# Altium PCB PV Refridgerator v0.1.2.PCBDOC (part 2 of 2) (continued)
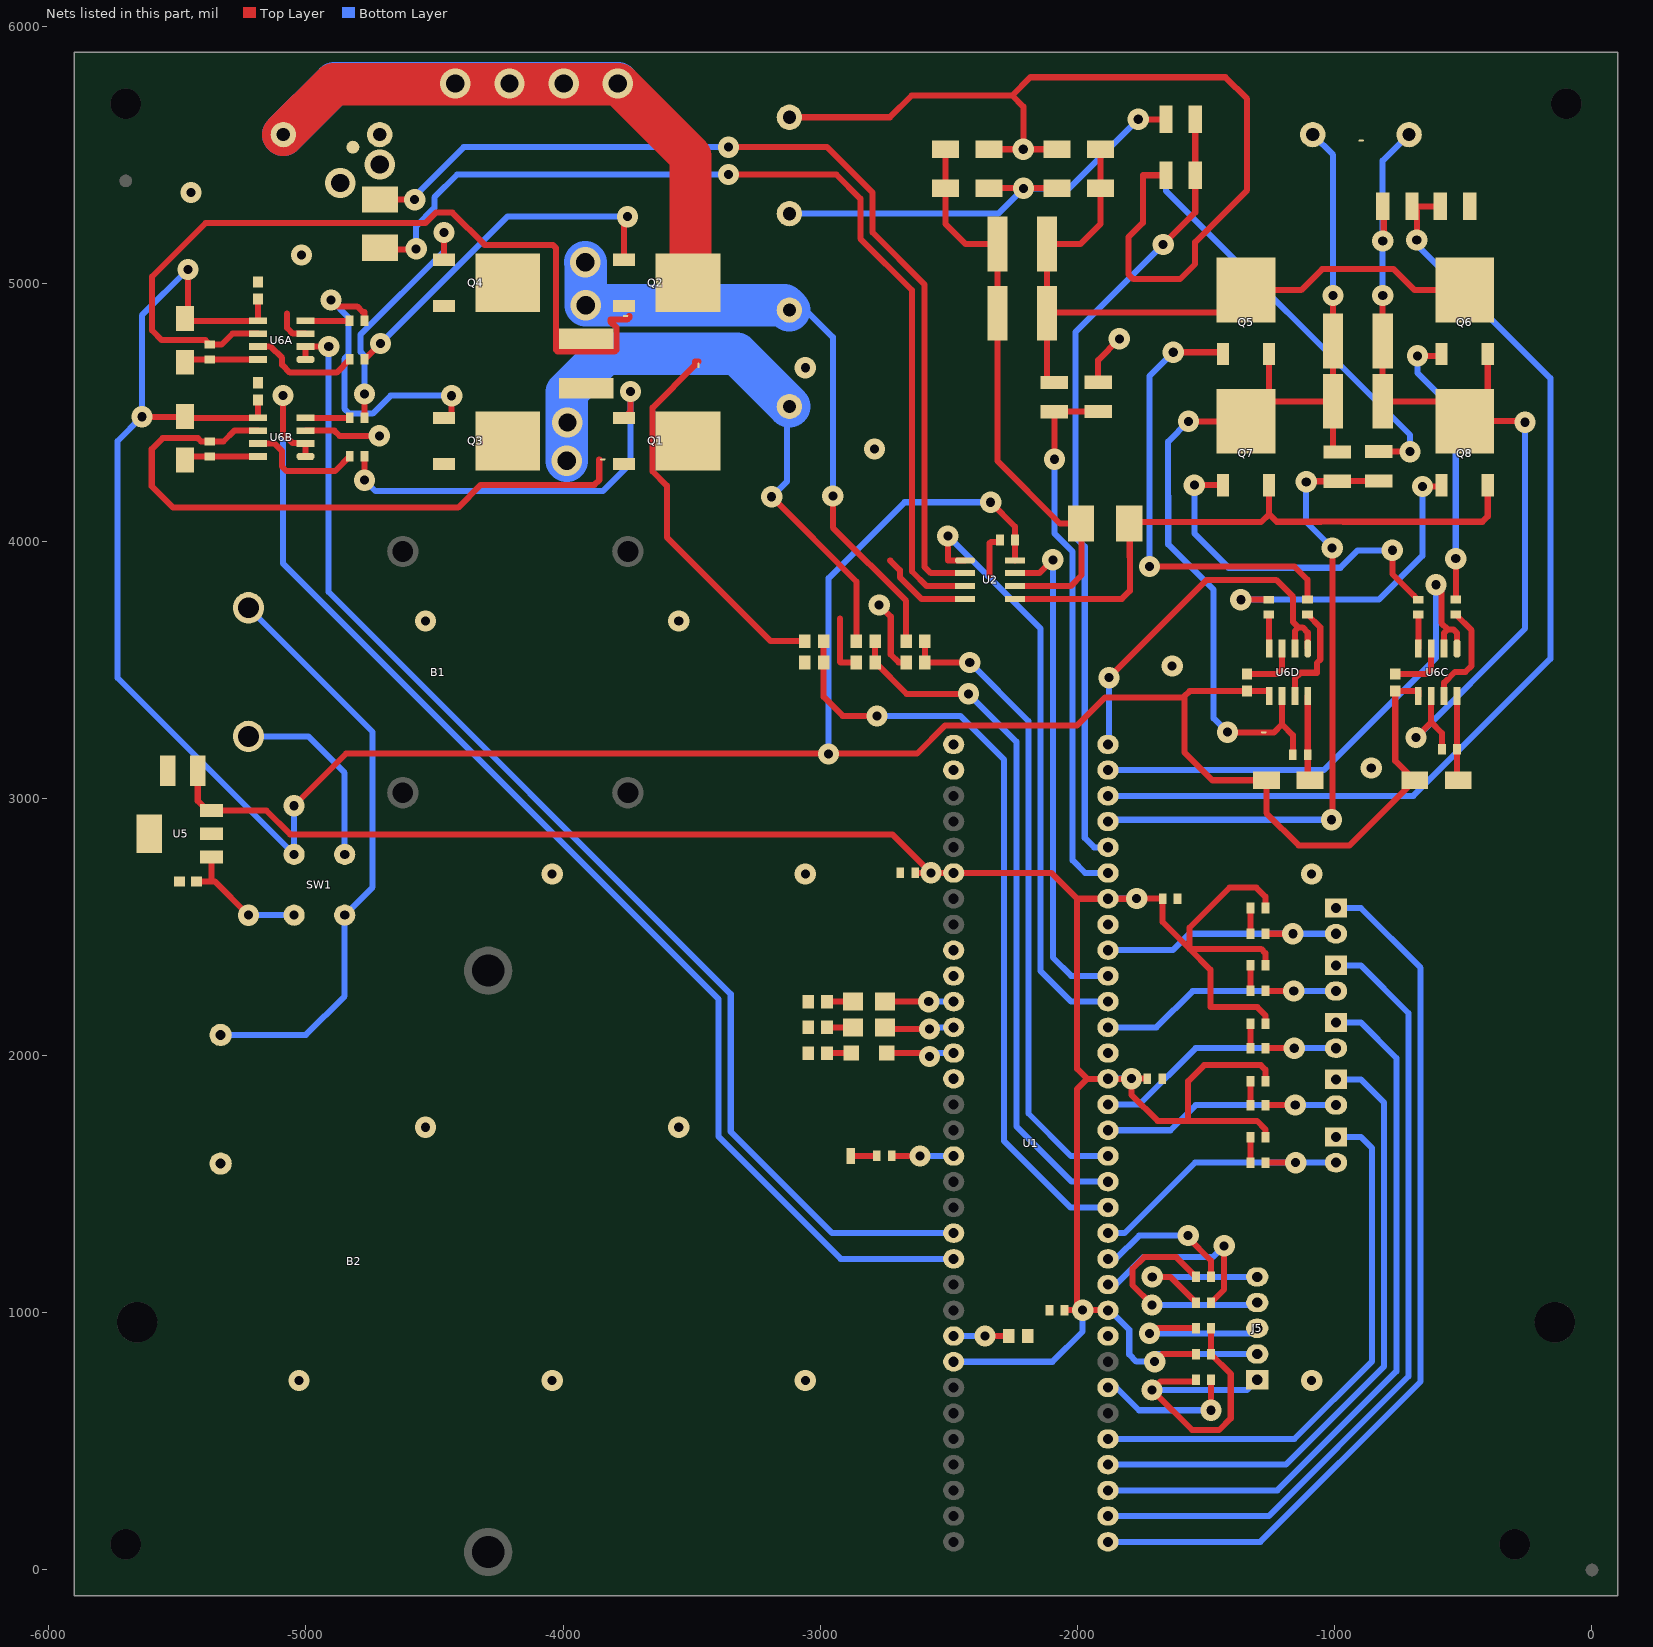
[diagram p2: the nets of this part, all layers, seen from the top]
## Nets (pads, with @x,y where several pads share a name; then routed paths per layer and width w, separated by ;. In a path a pad name is that pad's centre, name@x,y a point inside that pad or via, vN(x,y) a via of type N, cw(c..) or ccw(c..) an arc to the next point about the centre after c; other vN are vias at no path point)
0V: J3.2 NetTie2.2 NetTie4.2 R2.1
  other v2: -4866,5392 -4712.6,5463.6
3.3VDC: C5.1 C6.1 C7.1 C8.1 C12.1 J5.2 R4.1 R16A.2 R16B.2 R16C.2 R16D.2 R16E.2 U1.10 U1.19 U1.26 U1.38 U1.57 U5.3 | length 10880.2
  Top Layer w23.62: C12.1@-5420.04,3106.85 -5420.04,2990.04 -5381.85,2951.85 U5.3@-5366.11,2951.85 -5152.7,2951.85 -5060.85,2860 -2720,2860 v1(-2570,2710) ; C7.1@-2631,2710 v1(-2570,2710) ; C5.1@-2051,1010 v1(-1980,1010) ; U1.10@-1881.42,1009.45 -1881.97,1010 v1(-1980,1010) ; v1@-1770.55,2609.45 U1.26@-1881.42,2609.45 -2001.45,2609.45 ; v1(-1770,2610) C6.1@-1669,2610 -1669,2519 -1564.71,2414.71 ; C8.1@-1729,1910 v1(-1790,1910) v1@-1790.55,1909.45 ; v1(-1700,810) -1670.55,839.45 R4.1@-1538.97,839.45 ; R16D.2@-1269.45,1682.45 -1269.45,1712.83 -1302.31,1745.69 -1570,1745.69 ; R16E.2@-1269.45,1899.45 -1269.45,1945.4 -1287.05,1963 -1507.73,1963 -1570,1900.73 -1570,1745.69 ; R16C.2@-1269.45,2123.45 -1269.45,2156.14 -1301.31,2188 -1483.55,2188 -1483.55,2333.55 -1564.71,2414.71 ; R16B.2@-1269.45,2351.45 -1269.45,2397.68 -1286.48,2414.71 -1564.71,2414.71 ; R16A.2@-1269.45,2573.45 -1269.45,2617.06 -1305,2652.61 -1409.22,2652.61 -1564.71,2497.12 -1564.71,2414.71 ; v1(-2570,2710) -2102,2710 -2001.45,2609.45 ; -2001.45,2609.45 -2001.45,1948.45 -1962.45,1909.45 ; v1(-1980,1010) -2001.45,1031.45 -2001.45,1870.45 -1962.45,1909.45 ; -1962.45,1909.45 U1.19@-1881.42,1909.45 v1@-1790.55,1909.45 ; v1@-1790.55,1909.45 -1790.55,1847.55 -1688.69,1745.69 -1570,1745.69
  Bottom Layer w23.62: v1(-2570,2710) -2569.45,2709.45 U1.38@-2481.42,2709.45 ; U1.57@-2481.42,809.45 -2097.55,809.45 -1980,927 v1(-1980,1010) -1881.97,1010 U1.10@-1881.42,1009.45 -1874.48,1009.45 -1799,933.97 -1799,838 -1771,810 v1(-1700,810) -1700,828.9 -1689.45,839.45 J5.2@-1301.42,839.45 ; U1.26@-1881.42,2609.45 -1880.87,2610 v1(-1770,2610) ; U1.19@-1880.87,1910 v1(-1790,1910)
15VDC: C13A.1 C13B.1 C13C.1 C13D.1 C16.1 D8A.1 D8B.1 D8C.1 D8D.1 SW1.3 U2.8 U6A.5 U6B.5 U6C.5 U6D.5 | length 11539.8
  Top Layer w23.62: v1(-5637,4483) -5471.65,4483 D8B.1@-5470,4484.65 ; D8B.1@-5464.35,4479 U6B.5@-5186.13,4479 ; D8A.1@-5461.48,4856.13 -5186,4856.13 C13A.1@-5186,4940.54 ; D8A.1@-5458,4876.65 v1(-5458,5056) ; U6B.5@-5186,4479.13 C13B.1@-5186,4548.54 ; v1(-5046,2971) -4843,3174 v1@-2967.62,3174 ; v1(-2967.62,3172.02) v1@-2963.17,3167.56 ; v1@-2963.17,3174 -2623.81,3174 -2515.52,3282.28 -2002.72,3282.28 -1892.77,3392.23 -1588.34,3392.23 -1584.77,3395.8 ; v1(-2337.79,4150.93) -2243,4056.14 C16.1@-2243,4004 U2.8@-2243,3925.05 ; U6D.5@-1255,3397.87 -1255,3416.54 C13D.1@-1341,3416.54 -1564.04,3416.54 -1584.77,3395.8 ; U6C.5@-675,3397.87 -675,3416.54 C13C.1@-764.65,3416.54 -764.65,3145.35 D8C.1@-689.29,3070 -942.29,2817 -1140,2817 -1265.65,2942.65 D8D.1@-1265.65,3070 -1476,3070 -1584.77,3178.77 -1584.77,3395.8
  Bottom Layer w23.62: v1(-5458,5056) -5637,4877 v1(-5637,4483) -5732,4388 -5732,3468.22 SW1.3@-5046,2782.22 ; v1(-5046,2971) SW1.3@-5046,2782.22 ; SW1.3@-5045.67,2781.89 SW1.3@-5046,2782.22 ; v1(-2967.62,3172.02) -2967.62,3855.33 -2672.02,4150.93 v1(-2337.79,4150.93)
"+DC BUS": C9.2 C10.2 D1.2 D2.2 Q5.2 Q6.2 R14C.2 | length 2715.5
  Top Layer w23.62: R14C.2@-2118.54,4630 C9.2@-2118.54,4885 ; D2.2@-1910.35,5523 D1.2@-1910.35,5372 -1910.35,5232.65 -1988,5155 C10.2@-2118.54,5155 C9.2@-2118.54,4885 ; Q5.2@-1435.35,4885 -1438.72,4888.36 -2115.18,4888.36 C9.2@-2118.54,4885 ; Q5.2@-1345,4975.35 -1130.72,4975.35 -1048.86,5057.22 -771.14,5057.22 -689.28,4975.35 Q6.2@-495,4975.35 -469.78,4975.35 Q6.2@-448,4953.57
+VSOLAR: J3.1 NetTie7.2 Q1.2 Q2.2 | length 3659.8
  Top Layer w165: J3.1@-5087.4,5580 -4891,5776.4 -3784.4,5776.4 -3504.46,5496.46 -3504.46,5014.19 Q2.2@-3514.65,5004
  Bottom Layer w165: J3.1@-5087.4,5580 -4888.52,5778.88 v2(-3786.88,5778.88)
  other v2: -4419,5778.88 -4208.29,5778.88 -3997.59,5778.88
+VT1.P: C1.1 J7.2 NetTie1B.2 NetTie8.2 Q1.3 Q3.2 | length 1279.4
  Bottom Layer w165: v2(-3986,4312) -3986,4512 -3985,4513 -3985,4579 -3835.54,4728.46 -3325.47,4728.46 J7.2@-3120,4522.99
  other v2: -3983,4461
+VT1.S: D1.1 D3.2 J8.2 R14D.2 | length 1883.1
  Top Layer w23.62: D3.2@-2344.35,5372 D1.1@-2079.65,5372 ; v1(-1763.85,5639.53) -1657.6,5639.53 R14D.2@-1654.8,5636.74
  Bottom Layer w23.62: J8.2@-3120,5272.6 -2308.34,5272.6 v1(-2209.84,5371.1) -2032.28,5371.1 v1(-1763.85,5639.53)
"-DC BUS": C9.1 C10.1 D3.1 D4.1 NetTie6.2 R3.1 | length 1797.5
  Top Layer w23.62: D4.1@-2513.65,5523 D3.1@-2513.65,5372 -2513.65,5232.65 -2436,5155 C10.1@-2311.46,5155 C9.1@-2311.46,4885 -2311.46,4311.46 -2068,4068 R3.1@-1983,4068
-VT1.P: C1.2 J7.1 NetTie1A.2 NetTie9.2 Q2.3 Q4.2 | length 967.6
  Bottom Layer w165: v2(-3914,5083.83) -3912.08,5081.92 v2(-3912.08,4917.08) -3139.29,4917.08 J7.1@-3120,4897.8
A_HO: Q1.1 R12B.2 | length 1580.4
  Top Layer w23.62: v1(-4771.57,4236.57) R12B.2@-4771.57,4329 ; Q1.1@-3762.68,4478.76 -3738,4503.44 v1(-3738,4581)
  Bottom Layer w23.62: v1(-4771.57,4236.57) -4729.07,4194.07 -3844.93,4194.07 -3738,4301 v1(-3738,4581)
A_LO: Q4.1 R13B.2 | length 967.1
  Top Layer w23.62: v1(-4772,4572) -4771.57,4571.57 R13B.2@-4771.57,4479 ; Q4.1@-4462.68,5093.76 v1(-4462.68,5199.68)
  Bottom Layer w23.62: v1(-4772,4572) -4772,4721 -4786.77,4735.77 -4786.77,4803.23 -4462.68,5127.32 v1(-4462.68,5199.68)
B_HO: Q2.1 R12A.2 | length 1425.4
  Top Layer w23.62: R12A.2@-4771.57,4706 v1(-4710,4767.57) ; Q2.1@-3762.68,5093.76 -3762.68,5247.32 v1(-3749,5261)
  Bottom Layer w23.62: v1(-4710,4767.57) -4216.57,5261 v1(-3749,5261)
B_LO: Q3.1 R13A.2 | length 1214.8
  Top Layer w23.62: v1(-4902,4937) -4876.93,4911.93 -4800.29,4911.93 -4778.68,4890.32 -4772.03,4890.32 R13A.2@-4772.03,4856 ; Q3.1@-4462.68,4478.76 -4436.24,4478.76 -4433,4475.53 v1(-4433,4565)
  Bottom Layer w23.62: v1(-4902,4937) -4834.23,4869.23 -4834.23,4724.2 -4850,4708.43 -4850,4515 -4830.23,4495.23 -4740.2,4495.23 -4670.43,4565 v1(-4433,4565)
C_HO: Q5.1 R12D.2 | length 1780.5
  Top Layer w23.62: v1(-1720,3901) -1157,3901 -1106,3850 R12D.2@-1106,3772.43 ; v1(-1628,4734) -1441.44,4734 Q5.1@-1434.76,4727.32
  Bottom Layer w23.62: v1(-1720,3901) -1720.87,3901.87 -1720.87,4641.13 v1(-1628,4734)
C_LO: Q8.1 R13D.2 | length 1231.9
  Top Layer w23.62: v1(-1365.03,3771.97) R13D.2@-1256,3771.97 ; v1(-659,4212) -590.09,4212 Q8.1@-584.76,4217.32
  Bottom Layer w23.62: v1(-1365.03,3771.97) -829.03,3771.97 -659,3942 v1(-659,4212)
C_VS: C2.1 C3.1 J6.1 NetTie1D.2 Q5.3 Q7.2 R14B.2 | length 3374.7
  Top Layer w23.62: v1(-1568.65,4465.35) Q7.2@-1345,4465.35 ; v1@-1399.65,3256 -1269.21,3256 ; Q7.2@-1267.35,4543 C2.1@-1006.46,4543 ; Q7.2@-1255.24,4555.12 Q5.3@-1255.24,4727.32 ; R14B.2@-1006.46,4362.24 C2.1@-1006.46,4543 ; v1(-1006.46,4954.86) C3.1@-1006.46,4778 C2.1@-1006.46,4543
  Bottom Layer w23.62: v1(-1568.65,4465.35) -1648.04,4385.96 -1648.04,4174.92 -1647.17,4174.05 -1647.17,3987.17 -1471,3811 -1471,3311 v1(-1417,3257) ; J6.1@-1085.58,5580 -1006.46,5500.88 v1(-1006.46,4954.86)
D_HO: Q6.1 R12C.2 | length 1095.3
  Top Layer w23.62: v1(-678,4720) Q6.1@-592.09,4720 ; R12C.2@-529.65,3772.43 -529.23,3772.85 -529.23,3931.23 v1(-529.65,3931.65)
  Bottom Layer w23.62: v1(-678,4720) -678,4653 -529.65,4504.65 v1(-529.65,3931.65)
D_LO: Q7.1 R13C.2 | length 1385
  Top Layer w23.62: v1(-1545.68,4217.32) Q7.1@-1434.76,4217.32 ; v1(-776,3964) -776,3871.97 -692.23,3788.2 R13C.2@-676,3771.97
  Bottom Layer w23.62: v1(-1545.68,4217.32) -1545.68,4029.68 -1412.23,3896.23 -978.2,3896.23 -910.43,3964 v1(-776,3964)
D_VS: C2.2 C3.2 J6.2 NetTie1C.2 Q6.3 Q8.2 R14A.2 | length 1640.9
  Top Layer w23.62: v1(-813.54,4954.86) C3.2@-813.54,4778 C2.2@-813.54,4543 Q8.2@-572.65,4543 ; v1(-813.54,5166.35) -809.45,5170.44 R14A.2@-809.45,5308.57 ; Q8.2@-405.24,4555.12 Q6.3@-405.24,4727.32
  Bottom Layer w23.62: v1(-813.54,4954.86) v1(-813.54,5166.35) -813.54,5478.74 J6.2@-708.76,5583.53
"DEBUG TX": R19.2 TP3.1 | length 101
  Top Layer w23.62: TP3.1@-2881.42,1609.45 R19.2@-2780.39,1609.45
GND: B2.2 C4.2 C5.2 C6.2 C7.2 C8.2 C11.2 C12.2 C13A.2 C13B.2 C13C.2 C13D.2 C14.2 C16.2 J5.3 NetTie2.1 NetTie?.2 R8.1 R9.1 R10.1 R20A.1 R20B.1 R20C.1 U1.9 U1.20 U1.25 U1.41 U2.4 U5.2 U6A.3 U6B.3 U6C.3 U6D.3 | length 2553.7
  Top Layer w23.62: -5072.35,4883.87 -5072.35,4828.13 -5050.21,4806 U6A.3@-5001.87,4806 ; U6B.3@-5001.87,4429 -4889,4429 -4869,4409 v1(-4714,4409) ; -2922.76,3698.35 -2922.76,3529.07 -2921.69,3528 R20B.1@-2859.73,3528 ; v1(-2771,3751) -2726,3706 -2726,3559 -2695,3528 R20A.1@-2666.2,3528 ; -2728,3924 -2690.73,3886.73 -2690.73,3858.46 -2607.27,3775 U2.4@-2437.05,3775 ; -2341.44,3867 -2341.44,3991.56 -2336,3997 -2308,3997 C16.2@-2301,4004 ; v1(-1720,920) -1700,940 C14.2@-1540,940 ; C13D.2@-1341,3483.46 -1223.54,3483.46 -1205,3502 U6D.3@-1205,3582.13 ; C13C.2@-764.65,3483.47 -642.53,3483.47 -625,3501 U6C.3@-625,3582.13
  Bottom Layer w23.62: v1(-1720,920) -1320.87,920 J5.3@-1301.42,939.45
  other v1: -5026.69,736.8 -4042.44,736.8 -3058.19,736.8 -1089.69,736.8 -4534.57,1721.05 -3550.32,1721.05 -4042.44,2705.3 -3058.19,2705.3 -1089.69,2705.3 -858,3118 -1632,3514 -4534.57,3689.55 -3550.32,3689.55 -2789,4358 -3058.19,4673.8 -5017,5112 -5446,5355
"HOA HiA": U1.42
"HOA HiV": U1.33
"HOB HiA": U1.46
"HOB HiV": U1.34
HVGND: D2.1 D4.2 J8.1 NetTie?.1 R15A.1 R15B.1 R15C.1 R15D.1 | length 5661.9
  Top Layer w23.62: J8.1@-3120,5647.4 -2729.6,5647.4 -2645,5732 -2254,5732 ; D4.2@-2344.35,5523 v1(-2210.74,5523) ; D2.1@-2097.99,5523.49 -2098.48,5523 v1(-2210.74,5523) ; R15C.1@-1920,4617.57 -1920,4703.27 v1(-1837.27,4786) ; R15D.1@-1656.61,5422 -1746,5422 -1746,5237.29 -1802,5181.29 -1802,5037.2 -1783.12,5018.32 -1601.68,5018.32 -1543,5077 -1543,5162 -1341,5364 -1341,5719 -1425,5803 -2183,5803 -2254,5732 ; R15B.1@-829.17,4347.57 v1(-707.43,4347.57) ; -2254,5732 -2210.74,5688.74 v1(-2210.74,5523)
  Bottom Layer w23.62: -1656.64,5425.91 -1656.64,5361.8 -707.43,4412.6 v1(-707.43,4347.57)
"LOA HiA": U1.53 U6B.1 U6B.2 | length 4995.1
  Top Layer w23.62: v1(-5089,4566) -5089,4417.79 -5051.59,4380.38 -5003.25,4380.38 U6B.2@-5001.87,4379 U6B.1@-5001.87,4329
  Bottom Layer w23.62: v1(-5089,4566) -5089,3913 -3395.24,2219.24 -3395.24,1684.43 -2920.26,1209.45 U1.53@-2481.42,1209.45
"LOA HiV": U1.31 U6C.1 U6C.2 | length 2114.7
  Top Layer w23.62: v1(-606,3830) -585.58,3809.58 -585.58,3680.58 -561.5,3656.5 ; U6C.2@-575,3582.13 -575,3643 -562,3656 -537.96,3656 -525,3643.04 U6C.1@-525,3582.13
  Bottom Layer w23.62: U1.31@-1881.42,3109.45 -1042.55,3109.45 -606,3546 v1(-606,3830)
"LOB HiA": U1.52 U6A.1 U6A.2 | length 4870.3
  Top Layer w23.62: U6A.1@-5001.87,4706 U6A.2@-5001.87,4756 v1(-4911,4756)
  Bottom Layer w23.62: v1(-4911,4756) -4911,3801.81 -3348,2238.81 -3348,1704 -2953.45,1309.45 U1.52@-2481.42,1309.45
"LOB HiV": U1.32 U6D.1 U6D.2 | length 1483.3
  Top Layer w23.62: v1(-1878,3469) -1498,3849 -1228,3849 -1161.93,3782.93 -1161.93,3684.82 -1141.18,3664.06 ; U6D.2@-1155,3582.13 -1155,3650.24 -1141.18,3664.06 ; U6D.1@-1105,3582.13 -1105,3644 -1125.06,3664.06 -1141.18,3664.06
  Bottom Layer w23.62: U1.32@-1881.42,3209.45 -1878,3212.87 v1(-1878,3469)
MCLR: R5.2 U1.7 | length 555.4
  Top Layer w23.62: v1(-1481.03,621.03) R5.2@-1481.03,739.45
  Bottom Layer w23.62: U1.7@-1881.42,709.45 -1849.45,709.45 -1761.03,621.03 v1(-1481.03,621.03)
"MCLR PIN": C14.1 J5.1 R4.2 R5.1 | length 1384.6
  Top Layer w23.62: v1(-1710,700) v1@-1701.43,700 ; R5.1@-1538.97,739.45 -1545.19,733.23 -1676.77,733.23 -1701.43,708.57 -1701.43,691.43 -1554.26,544.26 -1449.23,544.26 -1404.26,589.23 -1404.26,762.68 R4.2@-1481.03,839.45 ; R4.2@-1480.97,839.51 C14.1@-1480.97,939.45
  Bottom Layer w23.62: v1(-1710,700) -1340.87,700 J5.1@-1301.42,739.45
NetB1_1: B1.1 SW1.4 | length 749.7
  Bottom Layer w23.62: B1.1@-5222.83,3240.55 -4990.55,3240.55 -4848.82,3098.82 SW1.4@-4848.82,2781.89
NetB1_2: B1.2 B2.1 SW1.2 | length 2299.4
  Bottom Layer w23.62: B2.1@-5331.13,2079.92 -5000.08,2079.92 -4848.82,2231.18 SW1.2@-4848.82,2545.67 -4740,2654.49 -4740,3257.72 B1.2@-5222.83,3740.55
NetC4_1: C4.1 U1.56 | length 215.1
  Top Layer w23.62: v1(-2360,910) C4.1@-2266.5,910
  Bottom Layer w23.62: U1.56@-2481.42,909.45 -2360.55,909.45 v1(-2360,910)
NetC11_1: C11.1 SW1.1 U5.1 | length 527.2
  Top Layer w23.62: C11.1@-5424.65,2676.85 -5354.02,2676.85 v1(-5222.83,2545.67) ; -5366.11,2677.98 U5.1@-5366.11,2771.85
  Bottom Layer w23.62: v1(-5222.83,2545.67) SW1.1@-5045.67,2545.67
NetC15A_1: C15A.1 D8A.2 U6A.8 | length 273.2
  Top Layer w23.62: D8A.2@-5459.35,4706 C15A.1@-5374,4706 U6A.8@-5186.13,4706
NetC15A_2: C15A.2 NetTie1A.1 U6A.6 | length 3237.3
  Top Layer w23.62: U6A.6@-5186.13,4806 -5285,4806 -5327,4764 C15A.2@-5374,4764 -5390.98,4780.98 -5559.98,4780.98 -5598,4819 -5598,5028 -5390,5236 -4534.93,5236 -4494.48,5276.45 -4430.45,5276.45 -4305,5151 -4040,5151 -4027.11,5138.11 -4027.11,4742.61 -4020.78,4736.28 -3799.22,4736.28 -3792.89,4742.61 -3792.89,4830.3 -3815.89,4853.3 -3815.89,4860.69 -3751.07,4860.69 -3742.69,4869.07 -3742.69,4875
NetC15B_1: C15B.1 D8B.2 U6B.8 | length 270.2
  Top Layer w23.62: D8B.2@-5456.35,4329 C15B.1@-5374,4329 U6B.8@-5186.13,4329
NetC15B_2: C15B.2 NetTie1B.1 U6B.6 | length 2496.4
  Top Layer w23.62: U6B.6@-5186.13,4429 -5278,4429 -5320,4387 C15B.2@-5374,4387 -5406.89,4387 -5419.89,4400 -5556,4400 -5599,4357 -5599,4213 -5516,4130 -4408,4130 -4320,4218 -3878,4218 -3859.19,4236.81 -3859.19,4317.32
NetC15C_1: C15C.1 D8C.2 U6C.8 | length 322.9
  Top Layer w23.62: D8C.2@-525,3075 C15C.1@-525,3190 U6C.8@-525,3397.87
NetC15C_2: C15C.2 NetTie1C.1 U6C.6 | length 1927.8
  Top Layer w23.62: v1(-684,3236) -625,3295 ; U6C.6@-625,3397.87 -625,3295 ; C15C.2@-583,3190 -583,3253 -625,3295 ; NetTie1C.1@-482.5,4467 v1@-265,4467
  Bottom Layer w23.62: v1(-684,3236) -260,3660 v1(-260,4462)
NetC15D_1: C15D.1 D8D.2 U6D.8 | length 319.2
  Top Layer w23.62: D8D.2@-1105,3078.65 C15D.1@-1105,3170 U6D.8@-1105,3397.87
NetC15D_2: C15D.2 NetTie1D.1 U6D.6 | length 334.1
  Top Layer w23.62: -1280.99,3256 -1236,3256 -1205,3287 ; U6D.6@-1205,3397.87 -1205,3287 ; C15D.2@-1163,3170 -1163,3245 -1205,3287
NetD5_1: D5.1 U1.43 | length 266.5
  Top Layer w23.62: D5.1@-2747.92,2209.45 v1(-2578.45,2209.45)
  Bottom Layer w23.62: v1(-2578.45,2209.45) U1.43@-2481.42,2209.45
NetD5_2: D5.2 R8.2 | length 101
  Top Layer w23.62: R8.2@-2973.95,2209.45 D5.2@-2872.92,2209.45
NetD6_1: D6.1 U1.44 | length 271.8
  Top Layer w23.62: D6.1@-2747.92,2109.45 -2741.47,2103 v1(-2575,2103)
  Bottom Layer w23.62: v1(-2575,2103) -2568.55,2109.45 U1.44@-2481.42,2109.45
NetD6_2: D6.2 R9.2 | length 101
  Top Layer w23.62: R9.2@-2973.95,2109.45 D6.2@-2872.92,2109.45
NetD7_1: D7.1 U1.45 | length 281.3
  Top Layer w23.62: D7.1@-2741.52,2009.45 -2573.45,2009.45 -2575,2007.9 v1(-2575,1996)
  Bottom Layer w23.62: v1(-2575,1996) -2561.55,2009.45 U1.45@-2481.42,2009.45
NetD7_2: D7.2 R10.2 | length 94.6
  Top Layer w23.62: R10.2@-2973.95,2009.45 D7.2@-2879.31,2009.45
NetNetTie3_1: NetTie3.1 U2.3 | length 3882.9
  Top Layer w23.62: NetTie3.1@-4701,5133 -4572.53,5133 v1@-4570.85,5134.67 ; v1(-3357,5424.85) -3357,5445 -3336.85,5424.85 -2937.56,5424.85 -2843.89,5331.18 -2843.89,5175.89 -2643.49,4975.49 -2643.49,3881.68 -2586.81,3825 U2.3@-2437.05,3825
  Bottom Layer w23.62: v1(-4571,5136) -4571,5224.43 -4500.23,5295.2 -4500.23,5335.77 -4411.15,5424.85 v1(-3357,5424.85)
NetNetTie3_2: NetTie3.2 Q3.3 Q4.3 R2.2
NetNetTie4_1: NetTie4.1 U2.2 | length 3808.3
  Top Layer w23.62: NetTie4.1@-4708.5,5327.5 -4581.6,5327.5 v1@-4581.43,5327.67 ; v1(-3357,5531.15) -3357,5511 -3336.85,5531.15 -2973.15,5531.15 -2796.64,5354.64 -2796.64,5199.36 -2595,4997.71 -2595,3900 -2570,3875 U2.2@-2437.05,3875
  Bottom Layer w23.62: v1(-4577,5327) -4577,5341 -4386.85,5531.15 v1(-3357,5531.15)
NetNetTie5_1: NetTie5.1 U2.5 | length 742.5
  Top Layer w23.62: U2.5@-2242.95,3775 -1828,3775 -1796.77,3806.23 -1797,4062 -1785,4074 NetTie5.1@-1774.31,4074
NetNetTie5_2: NetTie5.2 Q7.3 Q8.3 R3.2 | length 1658
  Top Layer w23.62: R3.2@-1794.31,4073.18 NetTie5.2@-1794.31,4074 -1286,4074 -1255.24,4104.76 ; Q7.3@-1255.24,4217.32 -1255.24,4104.76 ; Q8.3@-405.24,4217.32 -405.24,4095.76 -426,4075 -967.24,4075 -967.6,4075.36 -1052.4,4075.36 -1052.76,4075 -1225.47,4075 -1255.24,4104.76
NetNetTie6_1: NetTie6.1 U2.6 | length 476.8
  Top Layer w23.62: U2.6@-2242.95,3825 -2027,3825 -1984,3868 NetTie6.1@-1984,4068
NetNetTie7_1: NetTie7.1 R11C.2 | length 1491.3
  Top Layer w23.62: -3473,4697.31 -3487.31,4697.31 -3487.31,4683 -3651.44,4518.87 -3651.44,4270.35 -3596.47,4215.38 -3596.47,4014.47 -3193,3611 R11C.2@-3060.2,3611
NetNetTie8_1: NetTie8.1 R11B.2 | length 1007.7
  Top Layer w23.62: v1(-3189,4172) -2859.73,3842.73 R11B.2@-2859.73,3611
  Bottom Layer w23.62: v1(-3189,4172) -3129,4232 NetTie8.1@-3129,4457.5
NetNetTie9_1: NetTie9.1 R11A.2 | length 1443.1
  Top Layer w23.62: v1@-2951,4174.94 v1(-2951,4175) -2951,4051.91 -2666.2,3767.11 R11A.2@-2666.2,3611
  Bottom Layer w23.62: NetTie9.1@-3052.5,4894 -2951,4792.5 v1(-2951,4175)
NetR11A_1: R11A.1 R20A.2 U1.16 | length 2489.9
  Top Layer w23.62: R11A.1@-2593.26,3618 R11A.1@-2593.26,3611 R20A.2@-2593.26,3528 v1(-2419,3528)
  Bottom Layer w23.62: v1(-2419,3528) -2190.49,3299.49 -2190.49,1774.49 -2025.45,1609.45 U1.16@-1881.42,1609.45
NetR11B_1: R11B.1 R20B.2 U1.15 | length 2707.2
  Top Layer w23.62: R11B.1@-2786.8,3618 R11B.1@-2786.8,3611 R20B.2@-2786.8,3528 -2664.8,3406 v1(-2424,3406)
  Bottom Layer w23.62: v1(-2424,3406) -2237.73,3219.73 -2237.73,1724.73 -2022.45,1509.45 U1.15@-1881.42,1509.45
NetR11C_1: R11C.1 R20C.2 U1.14 | length 3010.4
  Top Layer w23.62: R11C.1@-2987.26,3608 R20C.2@-2987.26,3528 -2987.26,3394.26 -2913,3320 v1(-2779.26,3320)
  Bottom Layer w23.62: v1(-2779.26,3320) -2455,3320 -2284.98,3149.98 -2284.98,1666.98 -2027.45,1409.45 U1.14@-1881.42,1409.45
NetR12A_1: R12A.1 U6A.7 | length 435.4
  Top Layer w23.62: U6A.7@-5186.13,4756 -5136,4756 -5092,4712 -5092,4685 -5062,4655 -4880.5,4655 R12A.1@-4829.5,4706
NetR12B_1: R12B.1 U6B.7 | length 460.2
  Top Layer w23.62: U6B.7@-5186.13,4379 -5121.19,4379 -5093,4350.81 -5093,4290 -5075,4272 -4886.5,4272 R12B.1@-4829.5,4329
NetR12C_1: R12C.1 U6C.7 | length 410.5
  Top Layer w23.62: U6C.7@-575,3397.87 -575,3449 -533,3491 -492,3491 -468,3515 -468,3652.85 R12C.1@-529.65,3714.5
NetR12D_1: R12D.1 U6D.7 | length 415.5
  Top Layer w23.62: U6D.7@-1155,3397.87 -1155,3466 -1133,3488 -1069,3488 -1069,3526.38 -1056.38,3539 -1056.38,3664.87 R12D.1@-1106,3714.5
NetR13A_1: R13A.1 U6A.4 | length 167.4
  Top Layer w23.62: U6A.4@-5001.87,4856 R13A.1@-4834.5,4856
NetR13B_1: R13B.1 U6B.4 | length 172.4
  Top Layer w23.62: U6B.4@-5001.87,4479 R13B.1@-4829.5,4479
NetR13C_1: R13C.1 U6C.4 | length 122.7
  Top Layer w23.62: U6C.4@-675,3582.13 R13C.1@-675,3704.85
NetR13D_1: R13D.1 U6D.4 | length 126.4
  Top Layer w23.62: U6D.4@-1255,3582.13 R13D.1@-1255,3708.5
NetR14A_1: R14A.1 R15A.2 U1.30 | length 4031.4
  Top Layer w23.62: v1(-681,5170) -681,5282.63 R14A.1@-699.37,5301 R15A.2@-589.61,5301
  Bottom Layer w23.62: U1.30@-1881.42,3009.45 -694.55,3009.45 -162,3542 -162,4633 -681,5152 v1(-681,5170)
NetR14B_1: R14B.1 R15B.2 U1.29 | length 2510.8
  Top Layer w23.62: v1(-1111,4230) -1108.57,4232.43 R14B.1@-990.83,4232.43 ; v1(-1013,2916.51) -1008.76,2920.76 -1008.76,3971.76 v1(-1010,3973) ; R14B.1@-989.87,4233.39 R15B.2@-829.17,4233.39
  Bottom Layer w23.62: U1.29@-1881.42,2909.45 -1874.35,2916.51 v1(-1013,2916.51) ; v1(-1111,4230) -1111,4074 v1(-1010,3973)
NetR14C_1: R14C.1 R15C.2 U1.27 | length 2101.1
  Top Layer w23.62: v1(-2089.04,4317.96) -2089.04,4503.39 R15C.2@-1920,4503.39
  Bottom Layer w23.62: v1(-2089.04,4317.96) -2089.04,4028.61 -2019.23,3958.8 -2019.23,2758.23 -1970.45,2709.45 U1.27@-1881.42,2709.45
NetR14D_1: R14D.1 R15D.2 U1.28 | length 3089.9
  Top Layer w23.62: v1(-1667,5153) -1542.43,5277.57 R15D.2@-1542.43,5422 ; R15D.2@-1542.43,5438.74 R14D.1@-1542.43,5640
  Bottom Layer w23.62: U1.28@-1881.42,2809.45 -1935.45,2809.45 -1971.98,2845.98 -1971.98,3978.37 -2007,4013.38 -2007,4813 v1(-1667,5153)
NetR16A_1: R16A.1 R17A.2 | length 100
  Top Layer w23.62: R17A.2@-1327.39,2473.45 R16A.1@-1327.39,2573.45
NetR16B_1: R16B.1 R17B.2 | length 100
  Top Layer w23.62: R17B.2@-1327.39,2251.45 R16B.1@-1327.39,2351.45
NetR16C_1: R16C.1 R17C.2 | length 95
  Top Layer w23.62: R17C.2@-1327.39,2028.45 R16C.1@-1327.39,2123.45
NetR16D_1: R16D.1 R17D.2 | length 99
  Top Layer w23.62: R17D.2@-1327.39,1583.45 R16D.1@-1327.39,1682.45
NetR16E_1: R16E.1 R17E.2 | length 92
  Top Layer w23.62: R17E.2@-1327.39,1807.45 R16E.1@-1327.39,1899.45
NetR19_1: R19.1 U1.49 | length 241
  Top Layer w23.62: R19.1@-2722.45,1609.45 v1(-2612.45,1609.45)
  Bottom Layer w23.62: v1(-2612.45,1609.45) U1.49@-2481.42,1609.45
NetU1_22: U1.22 U2.1 | length 2314.2
  Top Layer w23.62: v1(-2504,4020) -2504,3925 U2.1@-2437.05,3925
  Bottom Layer w23.62: v1(-2504,4020) -2143.24,3659.24 -2143.24,2328.24 -2024.45,2209.45 U1.22@-1881.42,2209.45
NetU1_23: U1.23 U2.7 | length 1958.7
  Top Layer w23.62: U2.7@-2242.95,3875 -2148,3875 v1(-2096,3927)
  Bottom Layer w23.62: v1(-2096,3927) -2096,2381 -2024.45,2309.45 U1.23@-1881.42,2309.45
PGC: R7.2 U1.11 | length 755.5
  Top Layer w23.62: R7.2@-1481.03,1039.45 -1430.6,1089.88 -1430.6,1259.4 v1(-1430,1260)
  Bottom Layer w23.62: U1.11@-1881.42,1109.45 -1850.55,1109.45 -1743.78,1216.22 -1473.78,1216.22 v1(-1430,1260)
"PGC PIN": J5.5 R7.1 | length 618.7
  Top Layer w23.62: v1(-1709.45,1139.45) -1639.45,1139.45 R7.1@-1540,1040
  Bottom Layer w23.62: v1(-1709.45,1139.45) J5.5@-1301.42,1139.45
PGD: R6.2 U1.12 | length 546.3
  Top Layer w23.62: v1(-1570,1300) -1570,1291.43 -1481.03,1202.46 R6.2@-1481.03,1139.45
  Bottom Layer w23.62: U1.12@-1881.42,1209.45 -1850.55,1209.45 -1760,1300 v1(-1570,1300)
"PGD PIN": J5.4 R6.1 | length 881.7
  Top Layer w23.62: v1(-1710,1030) -1710,1031.43 -1786.22,1107.65 -1786.22,1171.25 -1741.25,1216.22 -1616.22,1216.22 R6.1@-1540,1140
  Bottom Layer w23.62: v1(-1710,1030) -1310.87,1030 J5.4@-1301.42,1039.45
"SWITCHED GROUND 1": RT1E.1 U1.4 | length 2481.8
  Bottom Layer w23.62: U1.4@-1881.42,409.45 -1189.74,409.45 -807.76,791.43 -807.76,1816.53 -898.68,1907.45 RT1E.1@-994.92,1907.45
"SWITCHED GROUND 2": RT1D.1 U1.5 | length 2138.1
  Bottom Layer w23.62: U1.5@-1881.42,509.45 -1156.55,509.45 -855,811 -855,1639.77 -898.68,1683.45 RT1D.1@-994.92,1683.45
"SWITCHED GROUND 3": RT1C.1 U1.3 | length 2822.5
  Bottom Layer w23.62: U1.3@-1881.42,309.45 -1222.92,309.45 -760.51,771.86 -760.51,1990.28 -898.68,2128.45 RT1C.1@-994.92,2128.45
"SWITCHED GROUND 4": RT1B.1 U1.2 | length 3168.6
  Bottom Layer w23.62: U1.2@-1881.42,205 U1.2@-1881.42,209.45 -1256.11,209.45 -713.27,752.29 -713.27,2165.04 -898.68,2350.45 RT1B.1@-994.92,2350.45
"SWITCHED GROUND 5": RT1A.1 U1.1 | length 3506.9
  Bottom Layer w23.62: U1.1@-1881.42,109.45 -1289.3,109.45 -666.02,732.72 -666.02,2340.79 -898.68,2573.45 RT1A.1@-994.92,2573.45
"VTEMP 1": R17E.1 RT1E.2 U1.17 | length 1043
  Top Layer w23.62: R17E.1@-1269.45,1807.45 v1(-1153.55,1807.45)
  Bottom Layer w23.62: U1.17@-1881.42,1709.45 -1638.55,1709.45 -1540.55,1807.45 v1(-1153.55,1807.45) RT1E.2@-994.92,1807.45
"VTEMP 2": R17D.1 RT1D.2 U1.13 | length 1117.3
  Top Layer w23.62: R17D.1@-1269.45,1583.45 v1(-1152.1,1583.45)
  Bottom Layer w23.62: U1.13@-1881.42,1309.45 -1817.36,1309.45 -1543.36,1583.45 v1(-1152.1,1583.45) RT1D.2@-994.92,1583.45
"VTEMP 3": R17C.1 RT1C.2 U1.18 | length 1089.1
  Top Layer w23.62: R17C.1@-1269.45,2028.45 v1(-1157.55,2028.45)
  Bottom Layer w23.62: U1.18@-1881.42,1809.45 -1759.55,1809.45 -1540.55,2028.45 v1(-1157.55,2028.45) RT1C.2@-994.92,2028.45
"VTEMP 4": R17B.1 RT1B.2 U1.21 | length 1055.3
  Top Layer w23.62: R17B.1@-1269.45,2251.45 -1160.45,2251.45 v1(-1159.45,2250.45)
  Bottom Layer w23.62: U1.21@-1881.42,2109.45 -1693.55,2109.45 -1552.55,2250.45 v1(-1159.45,2250.45) RT1B.2@-994.92,2250.45
"VTEMP 5": R17A.1 RT1A.2 U1.24 | length 1019.5
  Top Layer w23.62: R17A.1@-1269.45,2473.45 v1(-1163,2473.45)
  Bottom Layer w23.62: U1.24@-1881.42,2409.45 -1629.55,2409.45 -1565.55,2473.45 v1(-1163,2473.45) RT1A.2@-994.92,2473.45
pads on no net: B1.0 B2.0 FID1.0 FID3.0 MountingHole1. MountingHole2. MountingHole3. MountingHole4. MountingHole5. MountingHole6. U1.6 U1.8 U1.35 U1.36 U1.37 U1.39 U1.40 U1.47 U1.48 U1.50 U1.51 U1.54 U1.55 U1.58 U1.59 U1.60 U1.61 U1.62 U1.63 U1.64
copper on no net: | length 424.3
  Top Layer w23.62: -5737.5,5162.5 -5662.5,5237.5 ; -5737.5,5237.5 -5662.5,5162.5 ; -720.79,84.5 -645.79,159.5 ; -720.79,159.5 -645.79,84.5

## Polygon pours and split planes (outlines as drawn)
GND on Top Layer "Top Ground Plane" (solid, remove dead copper, pour order 18): -5900,-100 100,-100 100,5900 -5900,5900
+VSOLAR on Top Layer "Top Layer-No Net 1" (solid, remove dead copper, pour order 11): -3687.4,5183.46 -3372.44,5183.46 -3372.44,4199.21 -3687.4,4199.21
-VT1.P on Top Layer "Top Layer-No Net 1" (solid, remove dead copper, pour order 12): -3687.4,5183.46 -3687.4,4711.02 -4356.69,4711.02 -4356.69,5183.46
+VT1.P on Top Layer "Top Layer-No Net 1" (solid, remove dead copper, pour order 13): -4356.69,4199.21 -3687.4,4199.21 -3687.4,4671.65 -4356.69,4671.65
NetNetTie3_2 on Top Layer "Top Layer-No Net 1" (solid, remove dead copper, pour order 10): -4690,5046 -4380,5046 -4380,4199.21 -4690,4199.21
NetNetTie3_2 on Top Layer "Top Layer-No Net 1" (solid, remove dead copper, pour order 14): -4792,5202 -4632,5202 -4589.99,4966.65 -4667.75,4840.28 -4792,4949
0V on Top Layer "Top Layer-No Net 1" (solid, remove dead copper, pour order 16): -4994,5268 -4630.4,5268 -4630.4,5621 -4673.4,5664 -4750.4,5664 -4994,5420.4
GND on Bottom Layer "Bottom Ground PLane" (solid, remove dead copper, pour order 17): -5900,-100.05 100,-100.05 100,5899.95 -5900,5899.95
0V on Bottom Layer "Top Layer-No Net 1" (solid, remove dead copper, pour order 15): -4994,5268 -4630.4,5268 -4630.4,5621 -4673.4,5664 -4750.4,5664 -4994,5420.4

## Keep-outs
Keep-Out Layer:
  the board outline again, w30

## Other copper
Top Layer:
  text ".ProjectRevision" at -770,360 h196.85
  text "CC" at -1482,73 h118.11

## Silkscreen, mask and mechanical layers (free items; w line width, h text height)
Top Overlay:
  text "+ Secondary -" at -2710,5270 h30 r90
  text "+  Primary  -" at -2710,4520 h30 r90
  text ".projectRevision" at -797,750 h30
  text ".projectTitle" at -797,660 h30
Board Outline (M1):
  the board outline again, w1
Mods Top (M5):
  lines w8: -2666,5120 -2571.84,5214.16 -2571.81,5214.16 ; -2580.16,5022.58 -2486,5116.74 ; -1990,4068 -1990,4177 -1766.23,4400.77 -1766.23,4714.96 -1837.27,4786 ; -1834.21,5696.54 -1834.21,5860.79 ; -1499.81,5710.18 -1499.81,5859.19
  text "Note: All removed copper needs to be 1.5 mm wide or wider. / In addition the bodge wire must remain a minimum of 1.5mm away from all other copper and components." at -5752,5996 h60
  text "Remove / Copper" at -1755,5748 h30
  text "Remove / Copper" at -2604,5021 h30 r45
  text "Add / Bodge / Wire" at -1806,4220 h30
Mods Bottom (M6):
  lines w8: -3501,5567 -3501,5863 ; -3354,5363 -3185,5194 -3185,5193 ; -3298.57,5858 -3297.82,5857.25 -3297.82,5558.24 ; -3296.69,5556.13 -3296.69,5551.83 -3115.96,5371.1 ; -1861.07,5647.4 -1861.07,5857.07 ; -1671,5659 -1671,5855
  text "Note: All removed copper needs to be 1.5 mm wide or wider." at 28.13,6088.38 h60
  text "Remove / Copper" at -1674,5749 h30
  text "Remove / Copper" at -3307,5676 h30
  text "Remove / Copper" at -3207,5273.73 h30 r315
Drill Drawing:
  text ".legend" at 1150,990 h30

## Text inside footprints (layer, text, board x,y; h text height)
B1: Top Overlay "-" at -5122.83,3690.55 h60; Top Overlay "+" at -5122.83,3190.55 h60
B2: Top Overlay "-" at -5190.97,1600 h60 r180; Top Overlay "+" at -5190.97,2100 h60 r180